# Altium PCB Radio.PcbDoc (part 1 of 3)
Units mil, origin at the board's own origin, x right, y up, seen from the top; angles counter-clockwise.
Board outline 3937.01 x 3937.01 mil, 2 copper layers (Top Layer, Bottom Layer); 220 components, 164 nets, 1023 pads, 256 vias.
Unrouted connection lines stored in the file: 24.
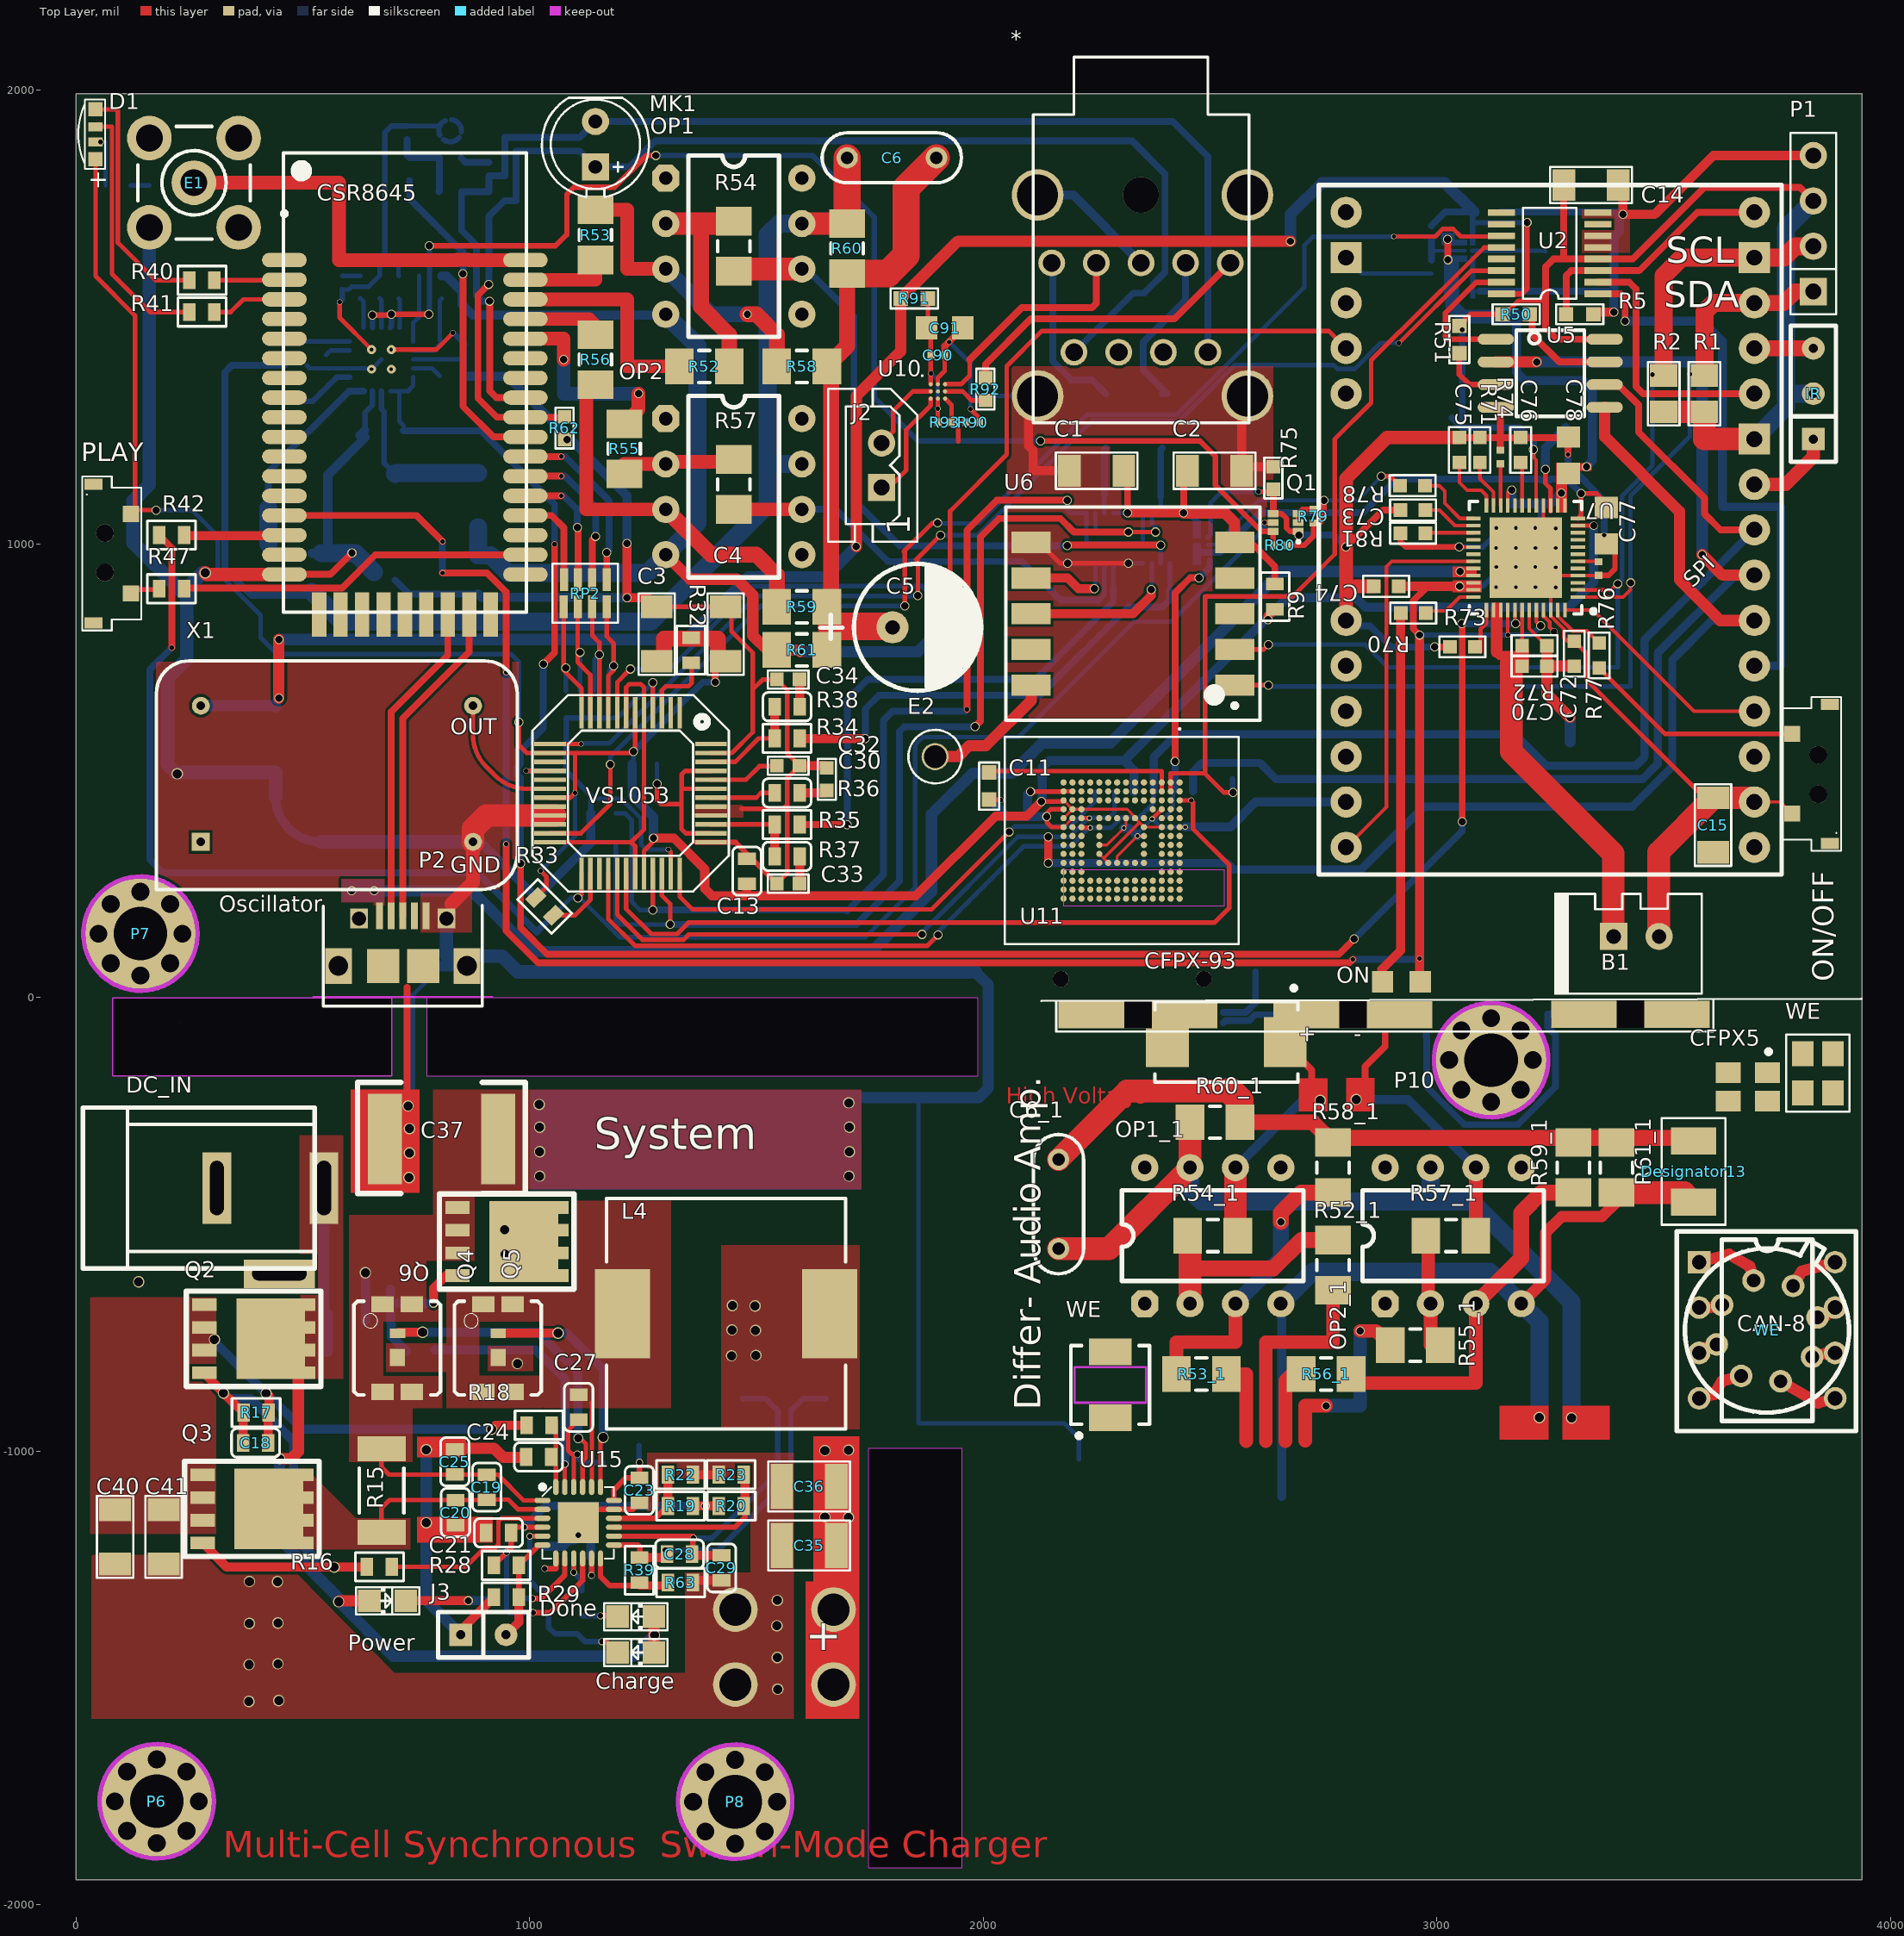
[diagram p0: Top Layer view]
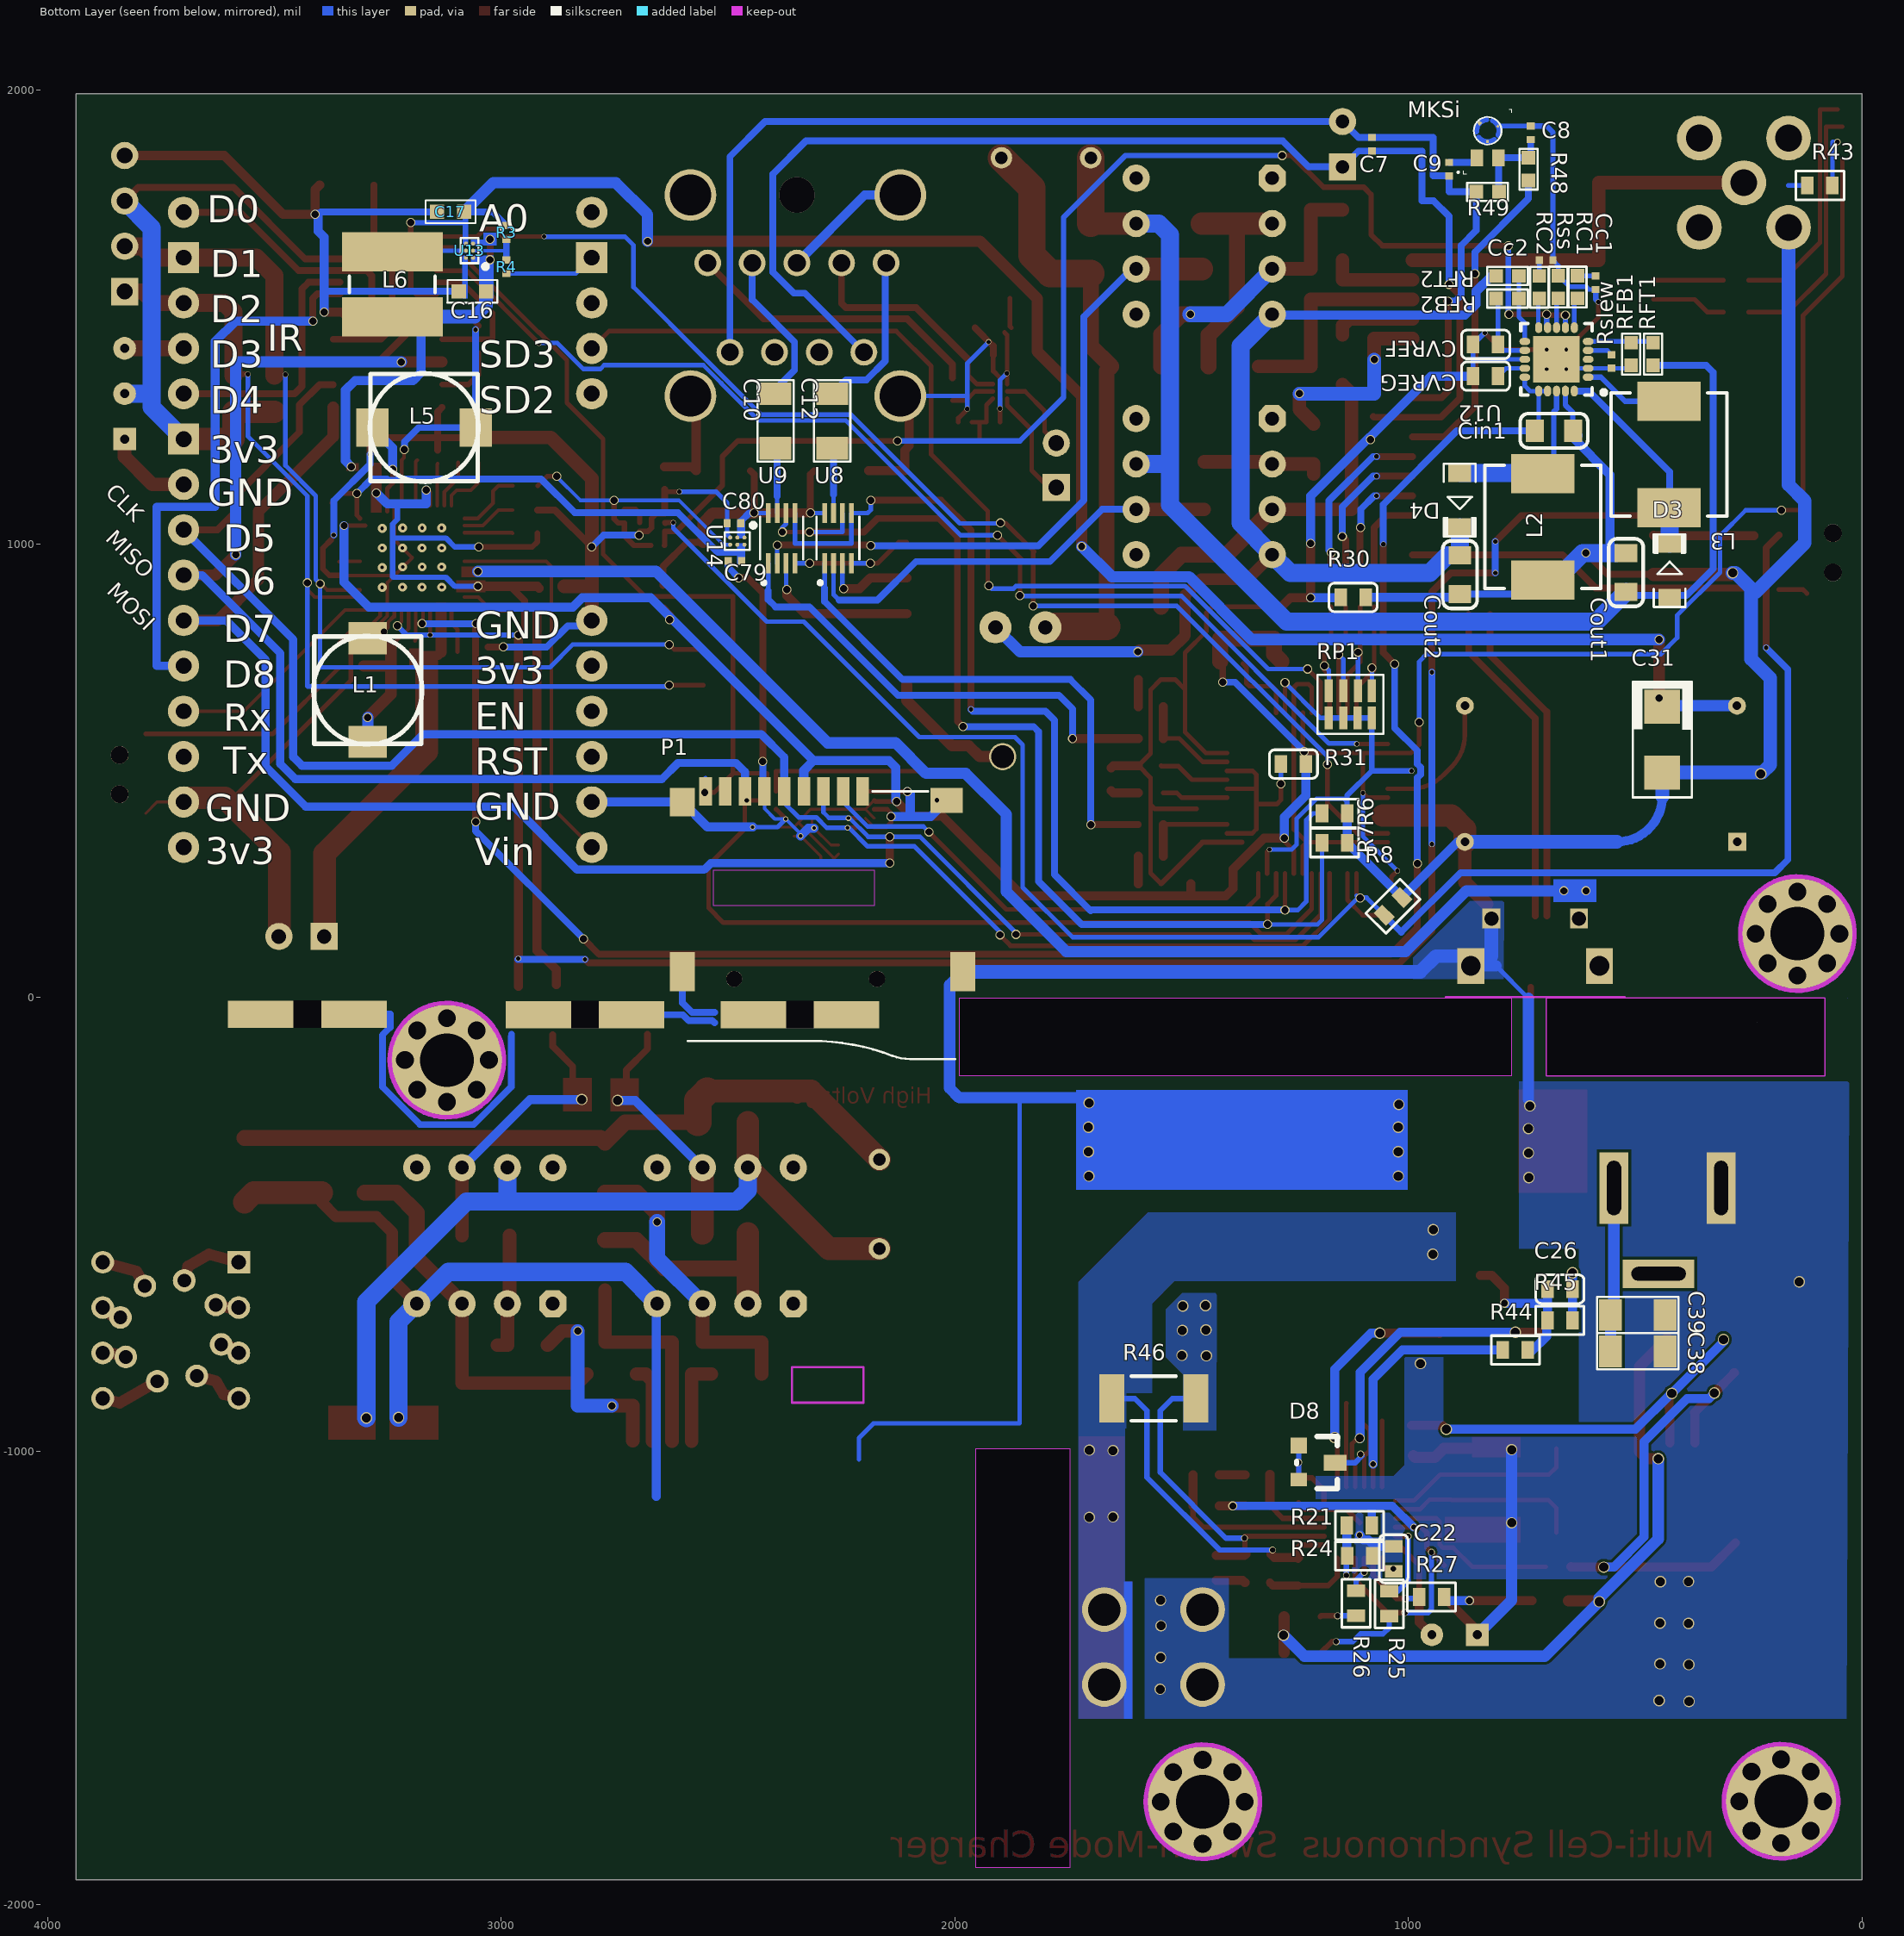
[diagram p1: Bottom Layer view, seen from below]
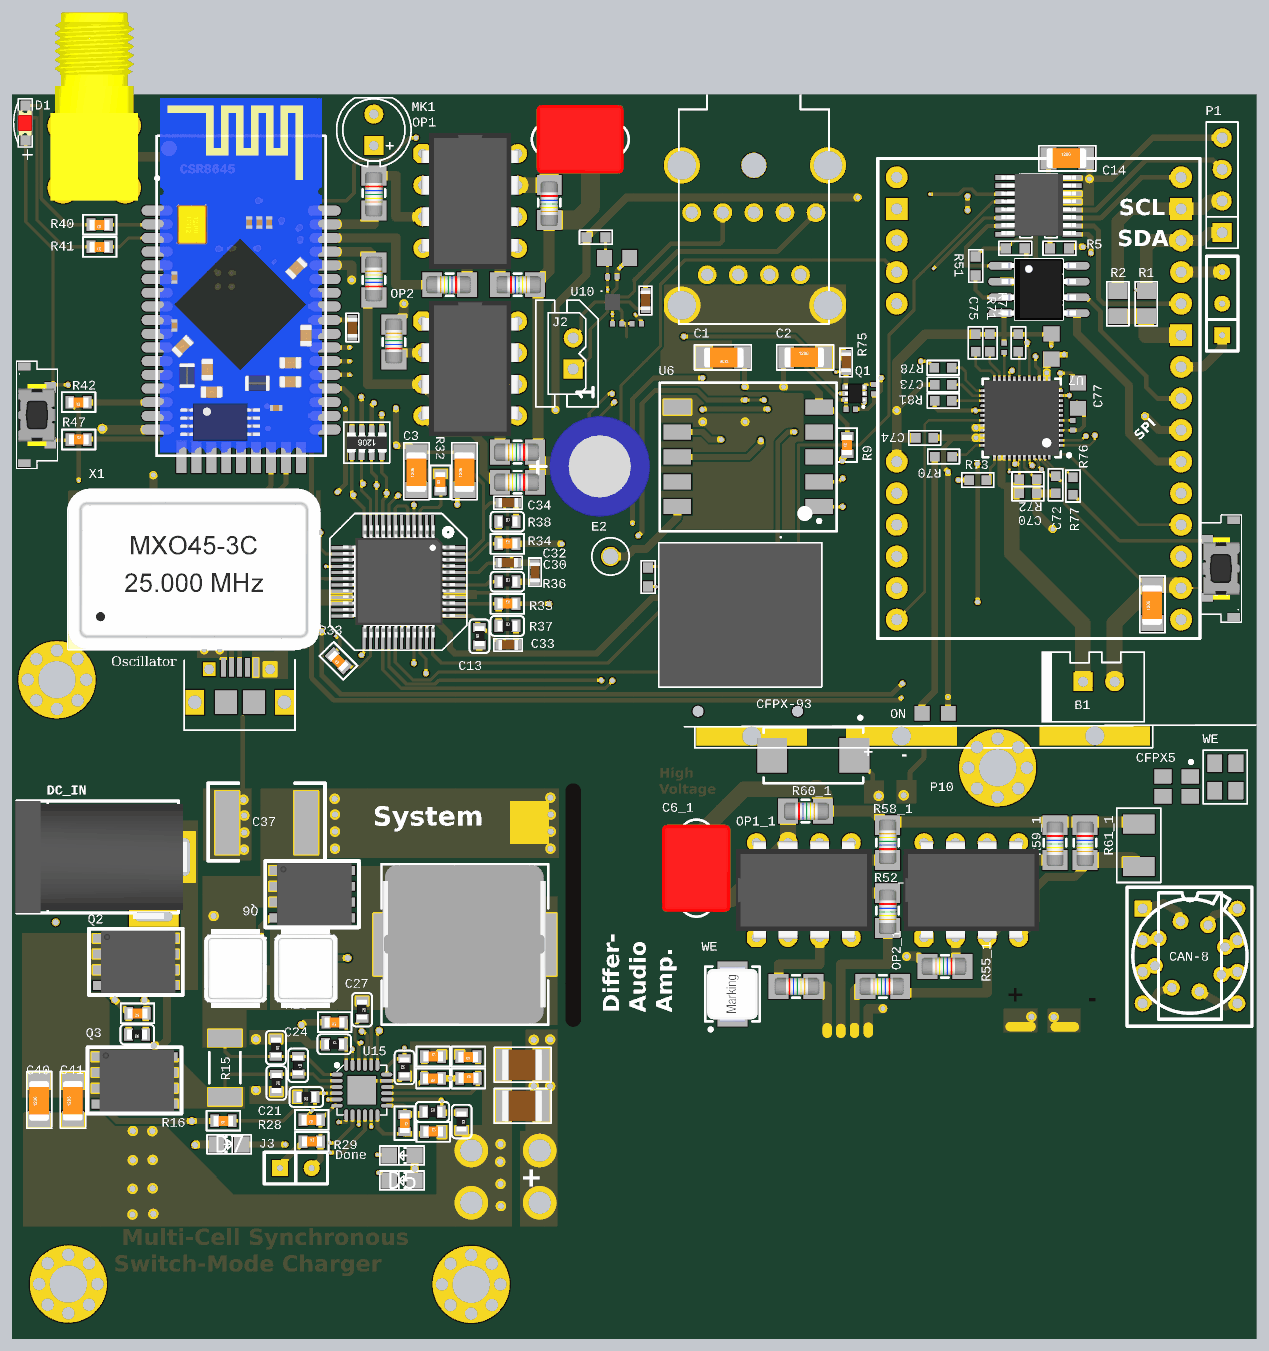
[diagram p4: 3D render of the assembled board from above, using the file's embedded part models]
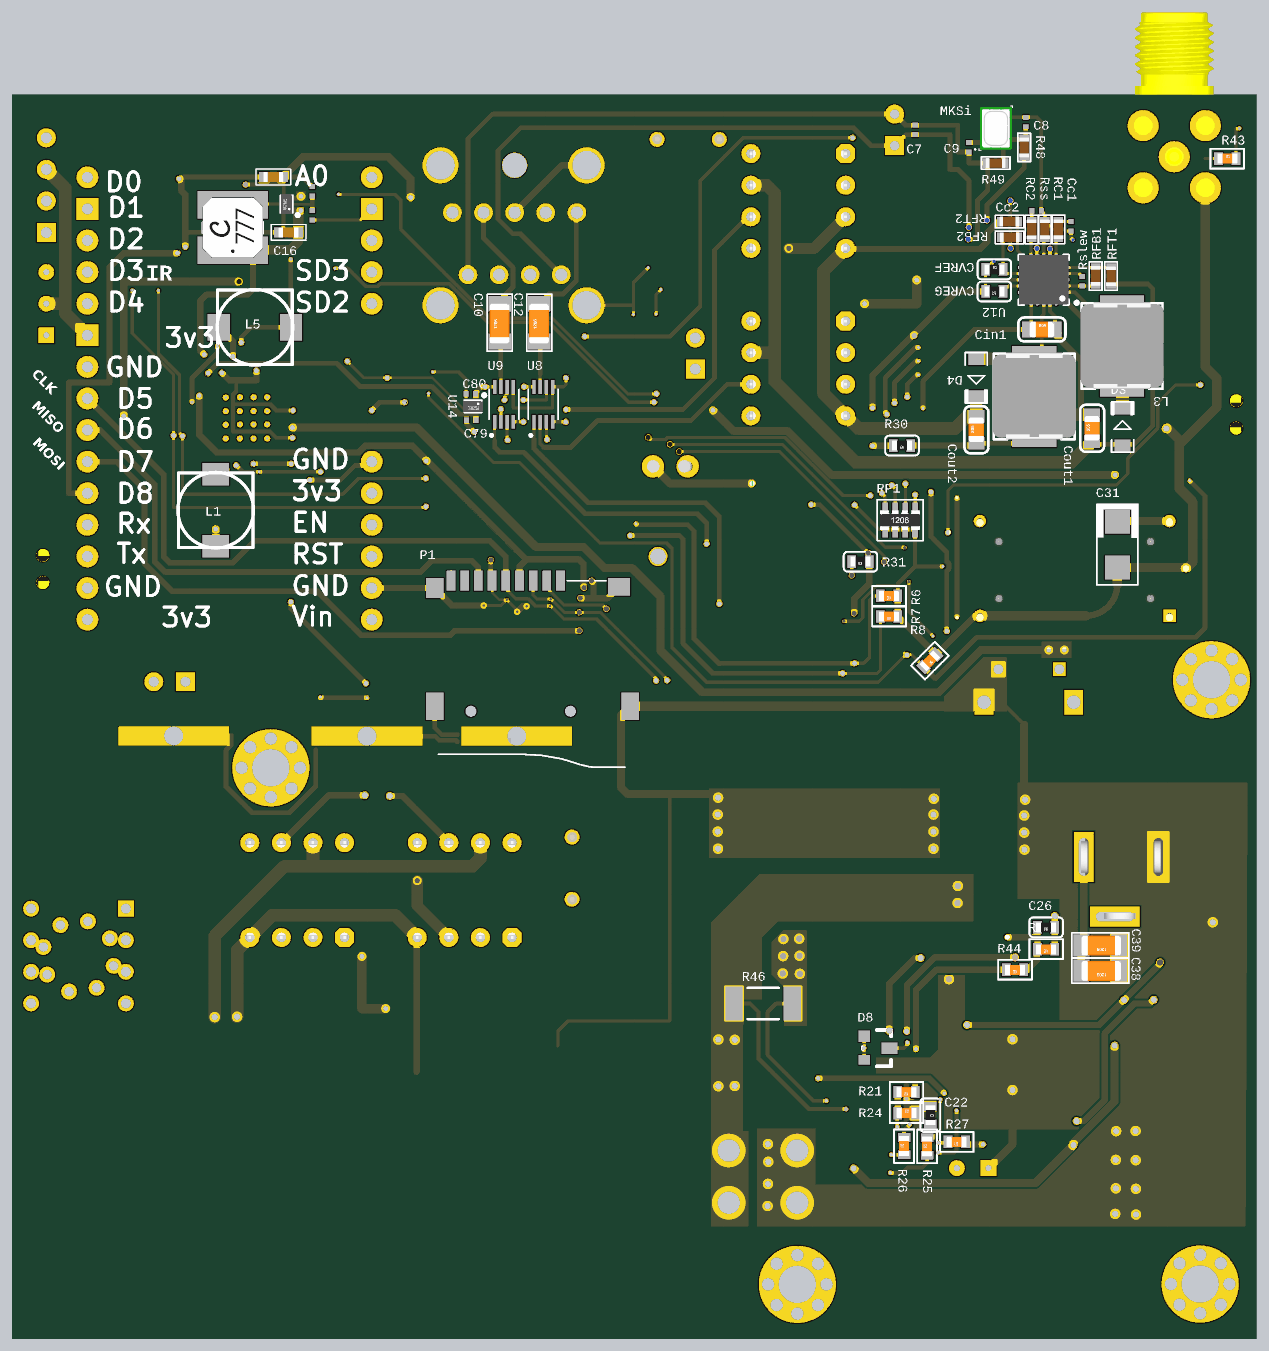
[diagram p5: 3D render of the assembled board from below, using the file's embedded part models]

## Layer stack, top to bottom
Top Solder: solder mask 0.4, Solder Resist, Dk 3.5
Top Layer: signal copper 1.4
Dielectric 1: dielectric 12.6, FR-4, Dk 4.8
Bottom Layer: signal copper 1.4
Bottom Solder: solder mask 0.4, Solder Resist, Dk 3.5

## Board outline
0,-1945.01 3937.01,-1945.01 3937.01,1992 0,1992
cut-out: 81,-1 696,-1 696,-173 81,-173
cut-out: 81,-173 696,-173 696,-1 81,-1
cut-out: 773,-173 1989,-173 1989,-1 773,-1
cut-out: 31,-1
cut-out: 230,-54
cut-out: 1953,-1918 1953,-994 1746,-994 1746,-1918

## Design rules (kind name [scope] priority, off if disabled: settings)
Clearance [All] p1: gap=6 ignorepadtopadclearanceinfootprint=TRUE except(0: Arc-Hole Track-Hole SMDPad-Hole THPad-Hole Via-Hole Fill-Hole Poly-Hole Region-Hole Text-Hole; 2: Arc-SMDPad Track-SMDPad; 3: Arc-Arc Arc-Track Track-Track)
DiffPairsRouting [All] p1: maxlimit=10 minlimit=10 mostfreqgap=10 toplayer_minwidth=10 toplayer_maxwidth=15 toplayer_prefwidth=15 bottomlayer_minwidth=10 bottomlayer_maxwidth=15 bottomlayer_prefwidth=15 maxuncoupledlength=500
PolygonConnect [All] p1: connectstyle=Direct reliefconductorwidth=10 reliefentries=4 polygonreliefangle="90 Angle" airgapwidth=10
RoutingVias [All] p1: holewidth=16 width=20 viastyle="Through Hole" minholewidth=8 minwidth=10 maxholewidth=80 maxwidth=100
SolderMaskExpansion [All] p1: expansion=4
Width [All] p1: maxlimit=100 minlimit=6 preferedwidth=20 minimp=50.000000 maximp=50.000000 favimp=50.000000
29 further rules are at their usual default settings.

## Classes and differential pairs
component class BQ24610: C18 C19 C20 C21 C22 C23 C24 C25 C26 C27 C28 C29 C35 C36 C37 C38 C39 C40 C41 Charge D8 DC_IN Done J3 L4 P6 P7 P8 P10 Power Q2 Q3 Q4 Q5 Q6 R15 R16 R17 R18 R19 R20 R21 R22 R23 R24 R25 R26 R27 R28 R29 R39 R44 R45 R46 R63 U15
component class PowerSys: B1 C16 C17 C70 C72 C73 C74 C75 C76 C77 C78 C79 C80 Cc1 Cc2 Cin1 Cout1 Cout2 CVREF CVREG D3 D4 L1 L2 L3 L5 L6 ON ON/OFF P2 Q1 R3 R4 R70 R71 R72 R73 R74 R75 R76 R77 R78 R79 R80 R81 RC1 RC2 RFB1 RFB2 RFT1 RFT2 Rslew Rss U7 U12 U13 U14
component class VS1053: C30 C31 C32 C33 C34 R6 R7 R8 R30 R31 R32 R33 R34 R35 R36 R37 R38 RP1 VS1053 X1
component class ESP_Mian: * C1 C2 C3 C4 C10 C11 C12 C13 C14 C15 C90 C91 E2 IR J2 P1 R1 R2 R5 R9 R50 R51 R90 R91 R92 R93 U2 U5 U6 U8 U9 U10 U11
component class CSR8645: C5 C6 C7 C8 C9 CSR8645 D1 E1 MK1 MKSi OP1 OP2 PLAY R40 R41 R42 R43 R47 R48 R49 R52 R53 R54 R55 R56 R57 R58 R59 R60 R61 R62 RP2
differential pair MIC1: +MIC1_P -MIC1_N
differential pair OUT: +OUT_P -OUT_N

## Components (designator, comment, footprint, x,y, rotation, side; value= is the part's Value field where it differs from the comment)
* "四声道插座" pj-31030 2110,1946 r270 top
B1 "BAT" TJC3-2A 3389.91,134.4 r0 top
C1 "1uF" 1206 2310,1161 r180 top
C2 "1uF" 1206 2450,1161 r0 top
C3 "1uF" 1206 1280,741 r90 top
C4 "1uF" 1206 1432,741 r90 top
C5 "10uF" RB3/7MM 1800,816 r180 top
C6 "10nF" WIMA-MKS2C031001A00 1700,1851 r0 top
C6_1 "10nF" WIMA-MKS2C031001A00 2166,-554 r90 top
C7 "10nF" 0201 1080,1881 r270 bottom
C8 "10uF" 0201 730,1906 r270 bottom
C9 "2.2uF" 0201 910,1826 r270 bottom
C10 "1uF" 1206 2395,1211 r90 bottom
C11 "2.2uF" 0603 2013,436 r90 top
C12 "1uF" 1206 2270,1211 r90 bottom
C13 "1uF" 0603AC 1479,251 r90 top
C14 "1uF" 1206 3280,1791 r0 top
C15 "1uF" 1206 3609,320 r90 top
C16 "2.2u" "0603 cap" 3063.3,1556.69 r180 bottom value=2.2μF
C17 "2.2u" "0603 cap" 3111.51,1731.92 r180 bottom value=2.2μF
C18 "0.1uF" 0603AC 423.46,-982 r180 top
C19 "0.1uF" 0603AC 905.46,-1052 r270 top
C20 "0.1uF" 0603AC 836.46,-1108 r270 top
C21 "1uF" 0603AC 959,-1180 r180 top
C22 "0.056uF" 0603AC 1032,-1210 r270 bottom
C23 "1uF" 0603AC 1242,-1114 r90 top
C24 "1uF" 0603AC 992,-1013 r0 top
C25 "10uF" 0603AC 835,-996 r270 top
C26 "0.1uF" 0603AC 638,-643 r0 bottom
C27 "0.1uF" 0603AC 1108,-876 r270 top
C28 "0.1uF" 0603AC 1303,-1227 r0 top
C29 "0.1uF" 0603AC 1423,-1230 r270 top
C30 "Cap" 0402 1595,511 r180 top value=1uf
C31 "CAP" 3528 440,641 r270 bottom
C32 "" 0402 1655,506 r270 top value=47n
C33 "Cap" 0402 1545.01,250.92 r0 top value=10n
C34 "Cap" 0402 1545,701 r0 top value=10n
C35 "10uF" 1210 1676,-1208 r180 top
C36 "10uF" 1210 1676,-1078 r180 top
C37 "15uF" 2220 930.73,-312 r180 top
C38 "10uF" 1206 434,-780 r0 bottom
C39 "10uF" 1206 434,-700 r0 bottom
C40 "10uF" 1206 86,-1249.21 r90 top
C41 "10uF" 1206 193,-1249 r90 top
C70 "0.1uF" 0603C-GENERIC 3242.83,730.35 r180 top
C72 "4.7uF" 0603C-GENERIC 3302.97,785.35 r270 top
C73 "1uf" 0603C-GENERIC 2919.83,1074.51 r0 top
C74 "0.22uf" 0603C-GENERIC 2860.83,906.35 r0 top
C75 "1uf" 0603C-GENERIC 3049.83,1234.35 r270 top
C76 "4.7uf" 0603C-GENERIC 3184.83,1179.35 r90 top
C77 "10uf" _0805MP 3373.3,1039.97 r90 top
C78 "10uf" _0805MP 3289.83,1195.35 r270 top
C79 "1uf" 0201 2484.5,962.1 r180 bottom
C80 "1uf" 0201 2486.46,1045.52 r180 bottom
C90 "0.1uF" 0201 1900,1416 r0 top
C91 "47uF" _0805MP 1915,1476 r0 top
CAN-8 "Comment" CAN8 3698.38,-623.98 r105 top
Cc1 "47nF" 0201 586.85,1575.7 r270 bottom
Cc2 "47nF" 0201 695.88,1625.09 r180 bottom
CFPX5 "Comment" CFPX-5 3686,-197 r180 top
CFPX-93 "Comment" CFPX-93 2536,-98 r180 top
Charge "LED" LED-0805 1234,-1444.12 r180 top (schematic designator D5)
Cin1 "10uF" 0805C 721.24,1249.35 r180 bottom
Cout1 "10uF" 0805C 520.02,894.11 r90 bottom
Cout2 "10uF" 0805C 886.2,889.62 r90 bottom
CSR8645 "CSR8645" CSR8645 725,1346 r0 top (schematic designator U4)
CVREF "1u" 0603AC 856.89,1439.68 r180 bottom
CVREG "1u" 0603AC 801.89,1369.68 r0 bottom
D1 "LED_3528RGB" 1204_RGB 44,1886 r90 top
D3 "DFLS240" SOD-123 423.74,1000.66 r270 bottom
D4 "DFLS240" SOD-123 886.61,1036.53 r90 bottom
D8 "BAT54" sot-23 1121,-940 r270 bottom
DC_IN "DC IN" DCIN 546.61,-420.1 r180 top (schematic designator J4)
Designator13 "Comment" 1210C-GENERIC 3566,-451 r90 top
Done "LED" LED-0805 1234,-1365 r180 top (schematic designator D6)
E1 "ANTENNA" SMA_FR 260,1796 r0 top
E2 "ANTENNA" P125-B 1894,531 r0 top
IR "HS0038" SIP03 3830,1231 r90 top
J2 "SPK" SIP2_1 1776,1124 r90 top
J3 "CON2" SIP02 848,-1405 r0 top
L1 "4R7" SLF6028 3293.83,563.35 r90 bottom
L2 "4R7" IHLP2525 703.33,1037.26 r270 bottom
L3 "3R3" IHLP2525 425.2,1196.88 r270 bottom
L4 "4R7" IHLP5050 1433,-697 r0 top
L5 "4R7" SLF6028 3283.83,1256.35 r180 bottom
L6 "6R8" LPS5030 3239.69,1571.92 r90 bottom value=10uH
MK1 "MIC1" LED-F3 1145,1831 r180 top
MKSi "MIC1" ADMP504 825,1886 r90 bottom